# Altium PCB SPEC-A7.PcbDoc (part 7 of 10) (continued)
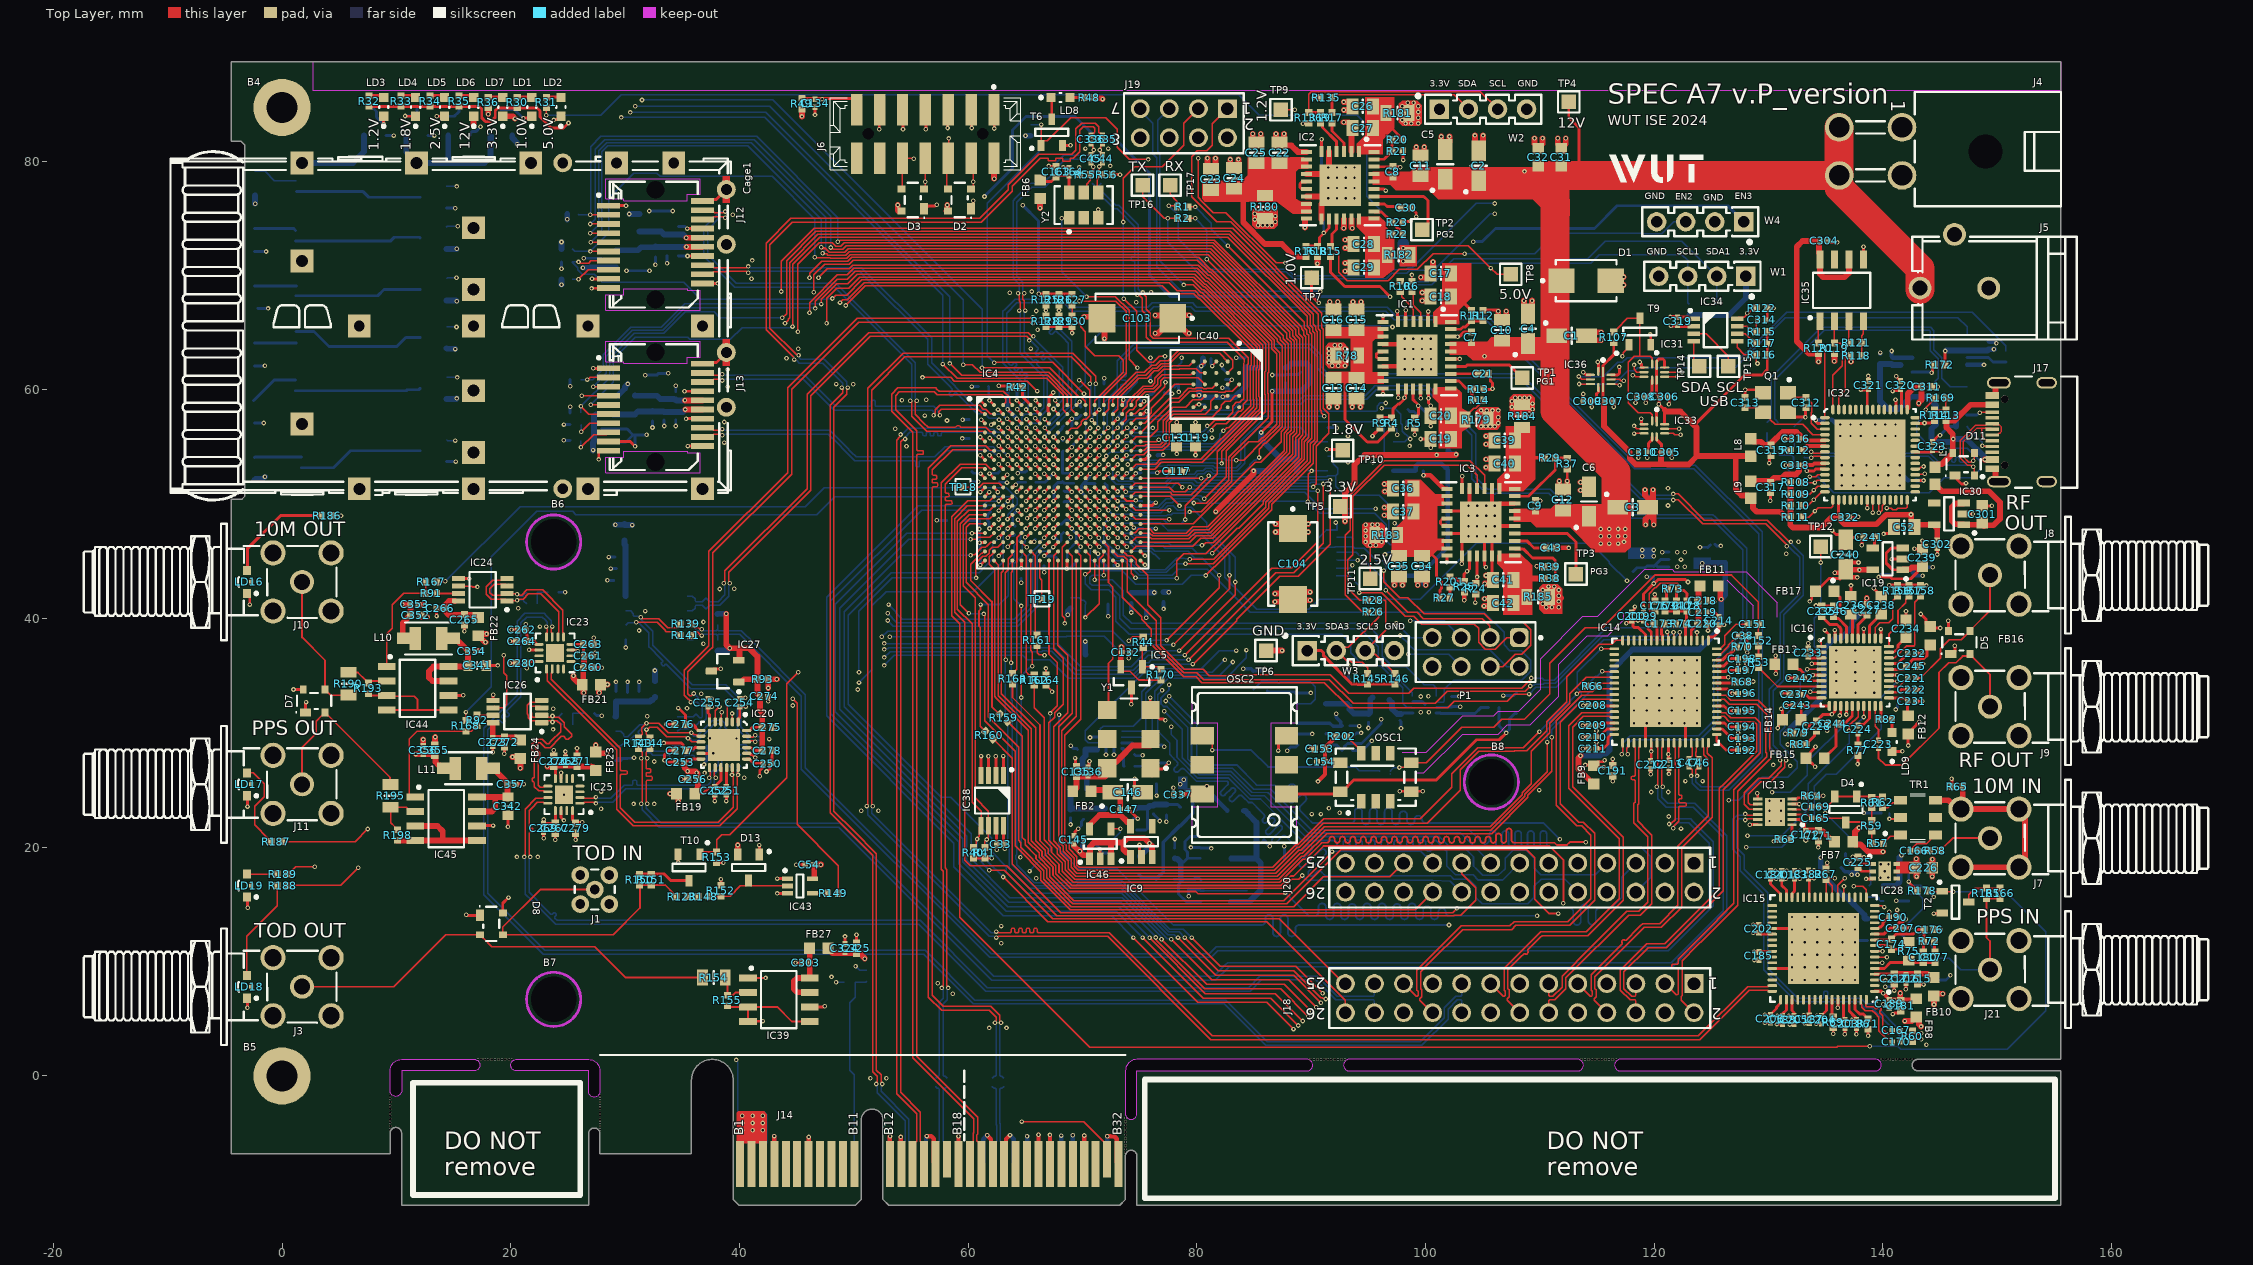
[diagram p0: Top Layer view]
## Nets (pads, with @x,y where several pads share a name; then routed paths per layer and width w, separated by ;. In a path a pad name is that pad's centre, name@x,y a point inside that pad or via, vN(x,y) a via of type N, cw(c..) or ccw(c..) an arc to the next point about the centre after c; other vN are vias at no path point) (continued)
  L4 w0.127: v1(128.135,66.696) 128.195,66.696 129.662,65.23 129.662,58.626 131.821,56.467 132.561,56.467 133.069,55.959 133.293,55.959 136.223,53.028 136.447,53.028 136.955,52.52 136.955,52.431 137.355,52.031 137.571,52.031 138.352,51.25 138.75,51.25 v1(140.338,49.662)
NetIC32_32: IC32.32 IC36.9 | length 41.2
  Top Layer w0.127: IC36.9@116.211,60.912 116.962,60.912 117.062,60.812 117.306,60.812 v1(117.333,60.785) ; IC32.32@142.821,52.576 142.854,52.609 143.604,52.609 v1(143.65,52.655)
  L4 w0.127: v1(117.333,60.785) 117.714,60.404 118.867,60.404 121.534,63.071 122.931,63.071 127.06,67.2 128.834,67.2 130.678,65.357 130.678,58.88 133.345,56.213 134.234,56.213 136.783,53.663 136.783,53.492 137.347,52.928 141.626,52.928 141.654,52.901 143.344,52.901 143.59,52.655 v1(143.65,52.655)
NetIC32_33: IC32.33 IC36.8 | length 41.7
  Top Layer w0.127: IC36.8@116.211,60.512 116.78,60.512 116.888,60.404 v1(116.962,60.404) ; IC32.33@142.821,53.076 143.143,53.076 143.315,53.248 143.498,53.248 v1(143.55,53.3)
  L4 w0.127: v1(116.962,60.404) 116.943,60.423 116.943,61.042 117.106,61.205 117.558,61.205 117.87,60.893 118.511,60.893 120.654,63.036 120.654,63.08 121.28,63.706 122.804,63.706 126.698,67.6 129.069,67.6 131.313,65.357 131.313,58.962 133.555,56.721 134.615,56.721 136.303,55.032 142.018,55.032 142.758,54.293 142.758,54.092 v1(143.55,53.3)
NetIC32_55: IC32.55 IC35.3 R121.2 | length 8.2
  Top Layer w0.127: IC32.55@136.121,58.276 136.121,59.37 136.702,59.951 136.702,63.625 137.188,64.111 R121.2@137.188,64.131 137.023,64.296 IC35.3@137.023,66.003
NetIC32_56: IC32.56 IC35.2 R119.1 | length 8.1
  Top Layer w0.127: IC32.56@135.621,58.276 135.621,61.271 136.448,62.098 136.448,63.73 136.464,63.746 136.464,63.871 136.242,64.093 R119.1@135.753,64.093 IC35.2@135.753,65.49
NetIC34_3: IC34.3 TP15.1 | length 4.7
  Top Layer w0.127: IC34.3@123.444,64.905 124.526,64.905 126.487,62.944 TP15.1@126.487,62.055
NetIC34_4: IC34.4 TP14.1 | length 2.4
  Top Layer w0.127: IC34.4@123.444,64.255 123.444,62.558 TP14.1@123.947,62.055
NetIC35_4: IC35.4 R118.1 R121.1 | length 3.1
  Top Layer w0.127: R118.1@138.128,62.988 R121.1@138.128,64.131 138.128,64.728 138.293,64.893 IC35.4@138.293,66.003
NetIC39_2: IC39.2 R154.2 R155.1 | length 3.8
  Top Layer w0.152: R154.2@38.97,8.821 R154.2@38.75,8.6 38.95,8.4 R155.1@38.95,7.07 39.42,7.07 39.657,7.308 IC39.2@40.738,7.308
NetIC39_3: IC39.3 IC39.4 IC39.5 R155.2 | length 10.2
  Top Layer w0.152: R155.2@38.95,6.13 39.042,6.038 IC39.3@40.738,6.038 ; IC39.4@40.75,4.9 40.75,6.026 IC39.3@40.738,6.038 ; IC39.5@46.138,4.768 44.582,4.768 43.312,6.038 IC39.3@40.738,6.038
  Top Layer w0.254: IC39.4@40.754,4.784 42.034,4.784 v1(42.05,4.8)
NetIC42_4: IC42.4 R84.1 | length 1.6
  Bottom Layer w0.152: R84.1@138.679,15.651 139.562,15.651 139.651,15.561 139.651,15.424 139.775,15.3 IC42.4@140.05,15.3
NetIC43_4: IC43.4 R149.1 | length 1.3
  Top Layer w0.127: IC43.4@46.383,15.965 46.398,15.98 R149.1@47.709,15.98
NetIC44_1: IC44.1 R91.2 R167.2 | length 9.9
  Top Layer w0.127: IC44.1@9.15,35.805 9.15,38.658 9.65,39.158 9.65,41.2 10.65,42.2 R91.2@12.58,42.2 R167.2@12.58,43.2
NetIC44_2: IC44.2 R190.2 R193.1 | length 3.8
  Top Layer w0.155: R190.2@5.8,35.3 5.822,35.278 6.642,35.278 7.317,34.602 7.317,34.582 7.53,34.37 R193.1@7.55,34.37 7.715,34.535 IC44.2@9.15,34.535
NetIC44_3: IC44.3 IC44.4 IC44.5 R193.2 | length 10.8
  Top Layer w0.152: R193.2@7.55,33.43 7.715,33.265 IC44.3@9.15,33.265 9.215,33.2 11.55,33.2 11.85,32.9 11.85,31.995 ; IC44.4@9.15,31.995 11.85,31.995 ; IC44.5@14.55,31.995 11.85,31.995
NetIC45_1: IC45.1 R92.2 R168.2 | length 11.9
  Top Layer w0.152: IC45.1@11.65,24.405 11.342,24.405 11.118,24.629 11.118,29.468 11.799,30.149 R168.2@16.07,30.149 16.569,30.149 16.816,30.396 16.816,30.416 17.03,30.63 R92.2@17.05,30.63
NetIC45_2: IC45.2 R195.2 R198.1 | length 4.6
  Top Layer w0.152: R198.1@10.104,21.54 10.084,21.54 9.87,21.754 9.87,21.774 9.5,22.144 R195.2@9.5,23.5 10.862,23.5 10.951,23.411 10.951,23.359 11.175,23.135 IC45.2@11.65,23.135
NetIC45_3: IC45.3 IC45.4 IC45.5 R198.2 | length 10.5
  Top Layer w0.508: R198.2@10.048,20.564 R198.2@10.16,20.564 ; R198.2@10.104,20.6 14.05,20.6 ; IC45.3@11.65,21.865 13.585,21.865 14.05,21.4 14.05,20.6 ; IC45.5@17.05,20.595 17.045,20.6 14.05,20.6
NetJ7_1: J7.1 R58.1 | length 5.3
  Top Layer w0.155: R58.1@145.02,19.7 145.02,19.72 145.234,19.934 146.1,20.8 J7.1@149.887,20.8
NetJ7_2: J7.2 R65.2 TR1.4 | length 20.1
  Top Layer w0.508: TR1.4@144.575,24.12 145.731,24.12 146.187,23.664 J7.2@146.312,23.664 ; J7.2@146.81,23.336 146.97,23.496 R65.2@146.97,25.3 ; J7.2@146.95,18 147.21,18.26 152.427,18.26 152.427,23.34 147.347,23.34 J7.2@147.078,23.608
NetJ17_A5: J17.A5 R105.1 | length 3.1
  Top Layer w0.127: v1(148.698,55.121) 148.733,55.086 149.524,55.086 J17.A5@149.56,55.05
  Bottom Layer w0.127: R105.1@147.32,56.8 147.546,56.573 147.546,56.55 148.687,55.409 148.687,55.132 v1(148.698,55.121)
NetJ17_B5: J17.B5 R106.1 | length 2.3
  Top Layer w0.127: v1(148.45,58) 148.475,58.025 149.535,58.025 J17.B5@149.56,58.05
  Bottom Layer w0.254: R106.1@147.32,57.8 148.21,57.8 148.41,58 v1(148.45,58)
NetLD1_1: LD1.1 T1.3 | length 3.1
  Top Layer w0.254: v1(21.107,83.763) 21.618,83.763 21.648,83.734 LD1.1@21.839,83.925
  Bottom Layer w0.254: T1.3@19.15,84.5 20.331,84.5 21.067,83.763 v1(21.107,83.763)
NetLD1_2: LD1.2 R30.1 | length 1.3
  Top Layer w0.254: R30.1@20.569,85.601 21.813,85.601 LD1.2@21.839,85.575
NetLD2_2: LD2.2 R31.1 | length 1.3
  Top Layer w0.254: R31.1@23.109,85.601 24.353,85.601 LD2.2@24.379,85.575
NetLD3_1: LD3.1 T3.3 | length 2.4
  Top Layer w0.254: v1(8.885,83.226) LD3.1@8.885,83.925
  Bottom Layer w0.254: T3.3@8.05,84.563 8.262,84.351 8.262,83.849 v1(8.885,83.226)
NetLD3_2: LD3.2 R32.1 | length 1.3
  Top Layer w0.254: R32.1@7.615,85.728 8.732,85.728 LD3.2@8.885,85.575
NetLD4_1: LD4.1 T4.3 | length 2.4
  Top Layer w0.254: v1@10.752,83.925 LD4.1@11.679,83.925 ; v1@10.752,83.941 v1(10.752,83.95)
  Bottom Layer w0.254: v1(10.752,83.95) 11.415,83.95 11.806,84.341 T4.3@11.806,84.541
NetLD4_2: LD4.2 R33.1 | length 1.3
  Top Layer w0.254: R33.1@10.409,85.728 11.526,85.728 LD4.2@11.679,85.575
NetLD5_1: LD5.1 T5.3 | length 3
  Top Layer w0.254: v1(13.52,83.925) LD5.1@14.219,83.925
  Bottom Layer w0.254: v1(13.52,83.925) 15.059,83.925 15.302,84.168 15.316,84.168 15.489,84.341 T5.3@15.489,84.541
NetLD5_2: LD5.2 R34.1 | length 1.3
  Top Layer w0.254: R34.1@12.949,85.728 14.066,85.728 LD5.2@14.219,85.575
NetLD6_2: LD6.2 R35.1 | length 1.3
  Top Layer w0.254: R35.1@15.489,85.728 16.606,85.728 LD6.2@16.759,85.575
NetLD7_2: LD7.2 R36.1 | length 1.3
  Top Layer w0.254: R36.1@18.029,85.601 19.273,85.601 LD7.2@19.299,85.575
NetLD8_1: LD8.1 T6.3 | length 1.8
  Top Layer w0.254: T6.3@67.305,83.668 LD8.1@67.305,85.503
NetLD8_2: LD8.2 R48.1 | length 1.2
  Top Layer w0.254: LD8.2@68.892,85.566 R48.1@70.137,85.566
NetLD9_2: LD9.2 R82.1 | length 1.1
  Top Layer w0.254: LD9.2@140.692,30.013 140.779,30.099 R82.1@140.779,31.125
NetLD10_1: LD10.1 R97.2 | length 4
  Bottom Layer w0.127: LD10.1@-2.4,79.1 -1.494,79.1 -0.664,78.27 R97.2@1.25,78.27
NetLD11_1: LD11.1 R99.2 | length 4.1
  Bottom Layer w0.254: LD11.1@-2.4,54.1 -2.368,54.132 R99.2@1.692,54.132
NetLD12_1: LD12.1 R131.2 | length 3.6
  Bottom Layer w0.254: LD12.1@-2.4,74.1 1.028,74.1 R131.2@1.184,73.944
NetLD13_1: LD13.1 R132.2 | length 3.6
  Bottom Layer w0.254: LD13.1@-2.4,69.1 R132.2@1.245,69.1
NetLD14_1: LD14.1 R133.2 | length 3.6
  Bottom Layer w0.254: LD14.1@-2.4,64.1 R133.2@1.236,64.1
NetLD15_1: LD15.1 R134.2 | length 4.4
  Bottom Layer w0.254: LD15.1@-2.483,59.067 -0.687,60.863 R134.2@1.184,60.863
NetLD16_2: LD16.2 R186.1 | length 9.6
  Top Layer w0.254: LD16.2@-3.042,44.208 -3.042,46.109 -0.15,49 R186.1@3.48,49
NetLD17_2: LD17.2 R187.1 | length 7.9
  Top Layer w0.127: LD17.2@-3.05,26.5 -2.507,26.5 -1.576,25.569 -1.576,24.424 -2.4,23.6 -2.4,21.97 -1.196,20.767 -1.196,20.726 R187.1@-0.97,20.5
NetLD18_2: LD18.2 R188.1 | length 9
  Top Layer w0.127: LD18.2@-3.05,8.8 -3.1,8.85 -3.1,12.2 -0.42,14.88 R188.1@-0.42,16.65
NetLD19_2: LD19.2 R189.1 | length 2.6
  Top Layer w0.127: LD19.2@-3.05,17.65 R189.1@-0.42,17.65
NetOSC1_8: OSC1.8 R202.2 | length 2
  Top Layer w0.127: R202.2@93.12,29.7 93.12,29.68 94.003,28.797 94.058,28.797 94.375,28.48 OSC1.8@94.375,28.22
NetOSC2_4: OSC2.4 R206.1 | length 17.1
  Top Layer w0.152: OSC2.4@80.465,29.74 80.666,29.74 81.35,29.056 v3(81.35,28.5)
  Bottom Layer w0.152: v3(81.35,28.5) 84.75,28.5 86.225,27.025 93.875,27.025 94.209,26.691 95.941,26.691 R206.1@95.981,26.651
NetR3_1: R3.1 R203.2 | length 1.2
  Bottom Layer w0.254: R3.1@98.45,58.27 98.613,58.107 98.993,58.107 99.38,57.72 R203.2@99.38,57.7
NetR27_1: R27.1 R201.2 | length 0.9
  Top Layer w0.254: R27.1@102.12,41.8 102.135,41.815 102.135,42.715 R201.2@102.15,42.73
NetR57_1: R57.1 TR1.1 | length 1.8
  Top Layer w0.152: R57.1@140.021,20.34 140.235,20.554 140.235,20.585 140.625,20.974 141.419,20.974 TR1.1@141.525,21.08
NetR59_1: R59.1 R61.2 | length 1.4
  Top Layer w0.152: R59.1@139.014,22.196 R59.1@139.014,22.352 R61.2@139.014,23.444 R61.2@139.014,23.564
NetR62_1: R62.1 TR1.3 | length 1.8
  Top Layer w0.127: R62.1@139.961,23.454 140.4,23.454 140.839,23.893 141.298,23.893 TR1.3@141.525,24.12
NetR80_2: R80.2 R83.1 | length 1.3
  Bottom Layer w0.152: R83.1@142.97,12 143.184,12.214 143.184,12.242 143.467,12.525 R80.2@144.067,12.525
NetR97_1: R97.1 T7.3 | length 11
  Bottom Layer w0.254: R97.1@1.25,77.33 7.091,77.33 7.579,76.842 T7.3@12.076,76.842
NetR99_1: R99.1 T8.3 | length 11
  Bottom Layer w0.254: R99.1@1.692,53.192 4.508,53.192 5.994,54.678 T8.3@12.083,54.678
NetR113_2: R113.2 R114.2 R169.1 | length 2.1
  Top Layer w0.127: R114.2@144.491,58.237 R113.2@145.507,58.237 145.507,59.287 R169.1@145.52,59.3
NetR123_2: R123.2 R148.1 | length 1
  Top Layer w0.152: R123.2@35.419,15.688 R148.1@36.384,15.688
NetR131_1: R131.1 T11.3 | length 11.1
  Bottom Layer w0.254: R131.1@1.184,73.004 9.461,73.004 9.804,73.347 12.01,73.347 T11.3@12.076,73.281
NetR132_1: R132.1 T12.3 | length 11.1
  Bottom Layer w0.254: R132.1@1.2,68.23 8.37,68.23 8.915,68.775 T12.3@12.083,68.775
NetR133_1: R133.1 T13.3 | length 11.7
  Bottom Layer w0.254: R133.1@1.228,65.1 2.8,65.1 4.1,63.8 10.036,63.8 10.82,64.584 T13.3@12.083,64.584
NetR134_1: R134.1 T14.3 | length 11
  Bottom Layer w0.254: R134.1@1.184,59.923 10.858,59.923 10.947,60.012 11.956,60.012 T14.3@12.083,60.139
NetR150_1: R150.1 R151.1 T10.3 | length 4.8
  Top Layer w0.254: R150.1@31.02,17.674 31.27,17.674 32.286,17.674 33.426,17.674 34.022,17.078 T10.3@35.584,17.078
NetR165_1: R165.1 R166.1 T2.3 | length 3.6
  Top Layer w0.152: T2.3@147.5,15.2 147.5,15.85 148.05,16.4 150.21,16.4 R166.1@150.25,16.44
NetR191_1: R191.1 R192.1 R194.2 | length 2
  Bottom Layer w0.127: R192.1@22.32,41.3 R191.1@22.32,42.3 R194.2@23.28,42.3
NetR196_1: R196.1 R197.1 R199.2 | length 2
  Bottom Layer w0.127: R197.1@25.42,30.7 R196.1@25.42,31.7 R199.2@26.38,31.7
OE_125M: IC4.F14 Y2.1 | length 26.6
  Top Layer w0.127: v1(68.194,75.009) 68.786,75.009 Y2.1@68.829,75.052 ; v1(70.353,68.151) 72.876,68.151 74.067,66.96 74.067,62.659 v1(74.798,61.928)
  Top Layer w0.254: IC4.F14@71.864,54.676 71.87,54.676 72.264,55.07 v1(72.271,55.07)
  Bottom Layer w0.127: v1(68.194,75.009) 68.194,70.31 v1(70.353,68.151) ; v1(72.271,55.07) 72.646,55.445 72.646,58.1 73.187,58.641 73.187,59.313 73.5,59.625 73.765,59.625 74.798,60.658 v1(74.798,61.928)
ONE_WIRE: IC4.U14 IC37.1 R124.1 | length 9.3
  Top Layer w0.127: v1(70.25,40.1) 71.459,41.309 71.459,45.188 71.821,45.55 71.821,45.833 IC4.U14@71.864,45.876
  Bottom Layer w0.127: R124.1@68.956,41.824 69.711,41.824 69.926,41.609 70.105,41.609 70.267,41.447 IC37.1@70.267,41.268 70.25,41.251 v1(70.25,40.1)
OUT_2_N: IC14.42 IC21.4 R87.1 R141.1 | length 126.8
  Top Layer w0.127: R141.1@35.762,38.52 35.989,38.747 35.989,38.789 36.063,38.863 36.289,38.863 36.641,38.511 v1(36.699,38.511) ; v1@121.486,22.087 121.819,22.421 121.819,28.714 121.734,28.799 IC14.42@121.734,29.133
  Bottom Layer w0.127: IC21.4@35.452,38.139 35.927,38.139 36.164,38.376 36.164,38.535 36.238,38.609 36.527,38.609 36.625,38.511 v1(36.699,38.511) 36.714,38.511 36.813,38.609 37.974,38.609 38.048,38.535 ; R87.1@38.086,38.101 38.086,38.535 38.161,38.609 40.029,38.609 45.42,33.219 45.42,26.83 61.88,10.37 81.22,10.37 81.413,10.563 81.82,10.97 121.22,10.97 125.15,14.9 125.15,20.5 124.956,20.693 123.363,22.286 123.17,22.48 121.878,22.48 121.486,22.087 121.346,22.087 v1(121.294,22.035)
OUT_2_P: IC14.43 IC21.3 R86.1 R139.1 | length 126.9
  Top Layer w0.127: R139.1@35.762,39.536 35.989,39.31 35.989,39.268 36.063,39.193 36.426,39.193 36.502,39.117 36.647,39.117 v1(36.699,39.065) ; v1@121.719,21.854 122.149,22.284 122.149,23.117 122.149,23.508 122.223,23.582 122.722,23.582 122.787,23.647 122.787,23.844 122.722,23.909 122.214,23.909 122.149,23.974 122.149,24.171 122.214,24.236 122.346,24.236 122.412,24.301 122.412,24.498 122.346,24.563 122.223,24.563 122.149,24.637 122.149,24.87 122.149,28.714 122.234,28.799 IC14.43@122.234,29.133
  Bottom Layer w0.127: IC21.3@35.452,39.409 35.927,39.409 36.164,39.173 36.164,39.014 36.238,38.939 36.5,38.939 36.625,39.065 v1(36.699,39.065) ; v1@36.813,38.939 37.974,38.939 38.048,39.014 ; R86.1@38.086,39.447 38.086,39.014 38.161,38.939 40.166,38.939 41.241,37.864 41.358,37.748 45.75,33.356 45.75,26.967 62.017,10.7 81.083,10.7 81.683,11.3 121.083,11.3 124.82,15.037 124.82,20.363 123.033,22.15 122.015,22.15 121.719,21.854 121.719,21.715 v1(121.667,21.663)
OUT_3_N: IC14.39 IC22.4 R90.1 R144.1 | length 133.4
  Top Layer w0.127: v1@31.83,23.9 31.83,25.403 31.83,25.794 31.905,25.868 32.306,25.868 32.372,25.933 32.372,26.13 32.306,26.195 31.896,26.195 31.83,26.26 31.83,26.457 31.896,26.522 32.171,26.522 32.236,26.587 32.236,26.784 32.171,26.849 31.905,26.849 31.83,26.923 31.83,27.62 31.929,27.718 31.929,27.752 v1(31.929,27.792) ; v1@31.83,27.964 31.83,28.321 31.905,28.396 31.939,28.396 R144.1@32.165,28.622 ; IC14.39@120.234,29.133 120.234,28.799 120.319,28.714 120.319,27.334 v1@120.319,25.456
  Bottom Layer w0.127: v1@31.83,27.964 31.83,28.183 31.905,28.257 32.22,28.257 32.409,28.068 33.831,28.068 33.906,27.994 33.906,27.835 34.142,27.598 IC22.4@34.563,27.598 34.985,27.598 35.221,27.835 35.221,27.994 35.295,28.068 35.962,28.068 36.037,27.994 36.037,27.781 R90.1@36.219,27.598 ; v1(31.929,23.8) 31.929,23.726 31.83,23.628 31.83,23.41 33.14,22.1 48.817,22.1 62.217,8.7 81.483,8.7 82.489,9.707 82.683,9.9 121.483,9.9 126.02,14.437 126.02,20.863 123.385,23.497 121.05,23.497 120.319,24.229 120.319,25.111 120.22,25.209 v1(120.22,25.283)
OUT_3_P: IC14.40 IC22.3 R89.1 R143.1 | length 133.4
  Top Layer w0.127: R143.1@31.165,28.622 31.392,28.396 31.426,28.396 31.5,28.321 v1@31.5,27.964 ; v1(31.402,27.792) 31.402,27.718 31.5,27.62 v1@31.5,23.9 ; v1@120.649,25.456 120.649,27.471 120.649,28.714 120.734,28.799 IC14.40@120.734,29.133
  Bottom Layer w0.127: v1(31.402,23.8) 31.402,23.726 31.5,23.628 31.5,23.273 33.003,21.77 48.68,21.77 62.08,8.37 81.62,8.37 82.82,9.57 121.62,9.57 126.35,14.3 126.35,21 123.522,23.828 121.187,23.828 120.649,24.365 120.649,25.111 120.747,25.209 v1(120.747,25.283) ; v1@31.5,27.964 31.5,28.319 31.768,28.587 32.357,28.587 32.546,28.398 33.831,28.398 33.906,28.473 33.906,28.632 34.142,28.868 IC22.3@34.563,28.868 34.985,28.868 35.221,28.632 35.221,28.473 35.295,28.398 35.962,28.398 36.037,28.473 36.037,28.685 R89.1@36.219,28.868
P1V0: C103.1 C104.1 C107.2 C108.2 C109.2 C110.2 C111.2 C112.2 C120.2 C121.2 C122.2 C123.2 C124.2 C125.2 C126.2 C127.2 C128.2 C129.2 C130.2 C131.2 IC4.F7 IC4.F9 IC4.F11 IC4.G8 IC4.G10 IC4.H7 IC4.H9 IC4.H11 IC4.J8 IC4.J12 IC4.K7 IC4.K11 IC4.L8 IC4.L12 IC4.M7 IC4.M11 IC4.N8 IC4.N10 IC4.N12 IC4.P9 IC4.P11 R78.2 T1.1 TP7.1 | length 99.4
  Top Layer w0.254: v1(65.864,49.476) IC4.M7@66.264,49.876 ; v1(65.864,51.076) IC4.K7@66.264,51.476 ; v1(65.864,53.476) IC4.H7@66.264,53.076 ; v1(65.864,55.076) IC4.F7@66.264,54.676 ; v1(66.664,48.676) IC4.N8@67.064,49.076 ; v1(66.664,50.276) IC4.L8@67.064,50.676 ; v1(66.664,52.676) IC4.J8@67.064,52.276 ; v1(66.664,54.276) IC4.G8@67.064,53.876 ; v1(67.464,47.876) IC4.P9@67.864,48.276 ; v1(67.464,53.476) IC4.H9@67.864,53.076 ; v1(67.464,55.076) IC4.F9@67.864,54.676 ; IC4.N10@68.664,49.076 v1(69.064,48.676) ; IC4.G10@68.664,53.876 v1(69.064,54.276) ; IC4.P11@69.464,48.276 v1(69.864,47.876) ; IC4.M11@69.464,49.876 v1(69.864,49.476) ; IC4.K11@69.464,51.476 v1(69.864,51.076) ; IC4.H11@69.464,53.076 v1(69.864,53.476) ; IC4.F11@69.464,54.676 v1(69.864,55.076) ; IC4.N12@70.264,49.076 v1(70.664,48.676) ; IC4.L12@70.264,50.676 v1(70.664,50.276) ; IC4.J12@70.264,52.276 v1(70.664,52.676) ; v1(78.227,54.4) C131.2@78.227,55.032 ; TP7.1@90.546,69.802 90.038,70.31 90.038,68.212 v1(90.65,67.6)
  Top Layer w0.508: v1(76.361,66.517) 77.633,66.517 C103.1@78.039,66.111 ; v1(76.364,64.94) 76.613,64.94 77.887,66.213 C103.1@77.887,66.263 ; v1(79.315,64.94) 79.16,64.94 78.039,66.061 C103.1@78.039,66.111 ; v1(79.342,66.53) 78.458,66.53 C103.1@78.039,66.111 ; v1(86.873,47.571) 87.416,47.571 87.624,47.779 C104.1@87.624,47.952 ; v1(86.873,48.278) 87.416,48.278 87.624,48.07 C104.1@87.624,48.007 ; C104.1@88.991,47.843 89.262,47.572 v1(89.742,47.572) ; C104.1@88.991,47.898 88.991,48.008 89.262,48.279 v1(89.742,48.279)
  L4 w0.254: v1(20.569,81.486) 43.364,81.486 51.176,73.674 51.176,61.166 58.859,53.482 61.844,53.482 62.288,53.038 63.273,53.038 63.276,53.035 63.603,53.035 63.868,52.769 63.868,52.519 64.194,52.194 64.298,52.194 64.624,51.868 65.072,51.868 v1(65.864,51.076)
  Bottom Layer w0.254: v1(67.464,47.876) 67.503,47.876 67.872,48.244 68.139,48.244 C108.2@68.322,48.427 68.505,48.61 68.959,48.61 69.024,48.676 v1(69.064,48.676) ; v1(70.664,50.276) 70.664,50.303 69.891,51.076 v1(69.864,51.076) 69.864,51.115 69.915,51.166 69.915,51.647 C109.2@70.098,51.83 ; v1(70.664,52.676) 70.592,52.604 70.592,52.324 C109.2@70.098,51.83 ; C110.2@71.076,51.819 71.071,51.824 70.103,51.824 C109.2@70.098,51.83
  Bottom Layer w0.508: T1.1@20.122,82.241 20.122,82.041 20.569,81.594 v1(20.569,81.486)
  other v1: 91.85,62.1 92.35,62.1 92.95,62.1 91.55,62.4 92.95,62.6 91.55,62.8 92.95,63.1 91.55,63.2 91.55,63.6 92.95,63.6 92.05,63.9 92.55,63.9
P1V8: C113.2 C114.2 C115.2 C116.2 C117.2 C118.2 C119.2 IC4.E11 IC4.G12 IC4.H13 IC4.K13 IC4.M13 IC4.P13 L2.2 R15.2 R179.2 T4.1 TP10.1 | length 144.1
  Top Layer w0.254: IC4.E11@69.464,55.476 69.464,55.489 69.838,55.863 v1(69.838,55.876) ; IC4.G12@70.264,53.876 v1(70.664,54.276) ; IC4.P13@71.064,48.276 71.064,48.27 71.454,47.881 v1(71.454,47.876) ; IC4.M13@71.064,49.876 v1(71.464,49.476) ; IC4.K13@71.064,51.476 v1(71.464,51.076) ; IC4.H13@71.064,53.076 v1(71.464,53.476) ; v1(76.546,52.754) 76.585,52.754 76.717,52.886 C117.2@77.777,52.886 ; v1(79.878,54.305) C119.2@79.878,55.032 ; v1(91.35,54.8) 92.65,54.8 TP10.1@92.75,54.7 ; R15.2@91.689,71.634 91.689,70.289 92.939,69.04 96.007,69.04 v1(96.896,68.151)
  L3 w0.254: v1(68.264,55.779) 68.303,55.779 68.642,55.44 69.327,55.44 69.464,55.578
  L4 w0.254: v1(13.323,82.241) 14.168,82.241 14.429,82.502 44.348,82.502 51.184,75.666 60.657,75.666 61.429,76.438 v1(61.429,76.911) ; v1(96.896,68.151) 97.785,68.151 100.579,65.357 104.516,65.357 105.75,64.122 105.75,62.539 101.595,58.384 101.595,56.845 99.85,55.1 v1(98.602,55.1)
  Bottom Layer w0.254: T4.1@12.756,82.241 v1(13.323,82.241) ; v1@61.429,76.936 63.876,79.383 63.876,82.726 65.05,83.9 69.35,83.9 71.383,81.867 72.933,81.867 75.85,78.95 75.85,70.02 77.719,68.151 v1(96.896,68.151) ; v1(68.264,55.779) 68.264,55.582 L2.2@68.284,55.561 ; C118.2@76.013,52.754 v1(76.546,52.754)
  other v1: 104.85,56.8 105.25,56.8 105.65,56.8 106.05,56.8 106.35,57.1 104.55,57.3 106.35,57.6 104.55,57.8 104.85,58.2 105.35,58.2 105.85,58.2 106.35,58.2
P1V8_USB: C297.2 C298.2 C311.2 IC32.2 IC32.31 IC32.43 | length 24.5
  Top Layer w0.254: v1(134.116,57.356) 134.144,57.328 134.144,57.197 134.265,57.076 IC32.2@134.921,57.076 ; IC32.31@142.821,52.076 IC32.31@142.821,52.076 143.549,52.075 v1(143.55,52.074)
  Top Layer w0.508: IC32.43@142.157,58.447 142.157,59.66 142.732,60.235 143.362,60.235 143.362,59.118 143.124,58.88 v1(143.124,58.819)
  L4 w0.508: v1(134.116,57.356) 134.515,57.754 143.124,57.754 ; v1(143.124,58.819) 143.124,57.754 ; v1(143.55,52.074) 144.125,52.074 144.467,52.416 144.467,54.171 143.051,55.587 143.051,57.342 143.124,57.415 143.124,57.754
  Bottom Layer w0.381: v1(134.116,57.356) 134.121,57.356 134.131,57.365 134.765,57.365 C298.2@134.8,57.4 ; C297.2@142.9,52.1 142.922,52.078 143.546,52.078 v1(143.55,52.074)
P2V5: C71.2 C72.2 C73.2 C74.2 C75.2 C76.2 C77.2 C78.2 C79.2 C80.2 C81.2 C82.2 C83.2 IC4.A16 IC4.B13 IC4.C10 IC4.D17 IC4.E14 IC4.G18 IC4.H15 R125.2 R126.2 R127.2 R183.2 T5.1 TP11.1 | length 90.4
  Top Layer w0.127: TP11.1@95.15,43.5 v1(95.15,46.4)
  Top Layer w0.254: v1(66.162,68.405) 66.201,68.405 66.239,68.367 R125.2@66.797,68.367 R126.2@67.94,68.367 R127.2@69.083,68.367 ; IC4.C10@68.664,57.076 v1(69.064,57.476) ; IC4.B13@71.064,57.876 v1(71.464,58.276) ; IC4.E14@71.864,55.476 71.864,55.493 72.229,55.858 v1(72.229,55.876) ; IC4.H15@72.664,53.076 v1(73.064,53.476) ; IC4.A16@73.464,58.676 73.482,58.694 73.482,59.001 73.578,59.096 v1(73.578,59.136) ; IC4.D17@74.264,56.276 74.264,56.286 74.67,56.692 v1(74.67,56.702) ; IC4.G18@75.064,53.876 75.082,53.894 75.44,53.894 75.775,54.228 v1(75.814,54.228)
  L3 w0.254: v1(66.162,68.405) 67.344,67.222 67.344,63.591 69.388,61.547 70.353,61.547 70.945,60.955 ; 72.704,54.562 72.554,54.412 72.554,53.956 72.853,53.657 72.853,53.646 73.024,53.476 v1(73.064,53.476)
  L4 w0.254: v1(17.35,83) 17.804,83.454 19.952,83.454 20.522,82.884 45.205,82.884 51.376,76.714 59.723,76.714 60.374,77.365 63.552,77.365 v1(64.765,76.152)
  Bottom Layer w0.254: T5.1@16.439,82.241 16.439,82.407 16.612,82.58 16.93,82.58 v1(17.35,83) ; v1(64.765,76.152) 66.162,74.755 v1(66.162,68.405) ; C78.2@69.052,56.848 69.064,56.86 v1(69.064,57.476) 69.092,57.504 69.58,57.504 69.737,57.661 69.762,57.661 69.86,57.759 C76.2@69.86,57.784 ; v1(71.464,58.276) 71.464,59.349 71.89,59.775 C74.2@71.89,59.8 ; v1(73.578,59.136) 73.578,59.096 73.715,58.959 73.715,58.887 73.806,58.796 73.806,58.51 C75.2@73.788,58.492 ; 73.806,58.978 73.864,59.036 73.864,59.076 73.892,59.104 74.291,59.104 C79.2@74.321,59.134 ; v1(74.67,56.702) 74.685,56.687 75.003,56.687 C73.2@75.018,56.673 ; v1(75.666,59.438) 75.706,59.438 75.854,59.586 76.07,59.586 C81.2@76.253,59.769 ; v1(75.814,54.228) 75.835,54.228 C72.2@75.887,54.28 ; C82.2@75.944,61.338 75.945,61.337 v1(75.946,60.772) v1(75.946,60.772) ; C83.2@78.046,60.236 C83.2@78.303,60.493 78.405,60.392 v1(78.405,59.82) ; v1(82.189,62.177) 82.217,62.149 82.217,61.894 82.494,61.617 C80.2@82.494,61.592
  other v1: 95.65,46.4 94.75,46.7 96.15,46.7 96.15,47.1 94.75,47.2 94.75,47.7 96.15,47.7 94.75,48.2 95.35,48.2 95.795,48.2
P2V7: C326.2 C327.2 C328.2 C330.2 IC40.B4 IC40.D1 IC40.E4 IC41.5 | length 12.2
  Top Layer w0.152: IC40.E4@79.697,59.48 IC40.E4@79.718,59.501 ; v1@80.166,59.501 80.175,59.501 v1(80.19,59.517) ; v1(80.386,62.081) v1@80.386,62.125 ; IC40.D1@80.697,62.436 IC40.D1@80.697,62.48 ; v1(82.25,59.4) v1@82.294,59.445 ; IC40.B4@82.661,59.445 IC40.B4@82.697,59.48
  Top Layer w0.254: IC40.E4@79.718,59.501 79.721,59.499 79.783,59.499 79.786,59.501 80.175,59.501 v1(80.19,59.517) ; v1@80.386,62.125 IC40.D1@80.697,62.436 ; v1@82.294,59.445 IC40.B4@82.661,59.445
  Bottom Layer w0.508: v1(80.19,59.517) 80.19,59.52 80.187,59.522 80.187,61.882 v1(80.386,62.081) 80.544,62.239 C327.2@80.544,62.741 ; 80.353,59.357 83.306,59.357 84.25,60.3 C330.2@84.25,61.95 84.261,61.938 85.532,61.938 IC41.5@85.543,61.927
P3V0_DAC: C157.1 C158.2 FB4.1 IC11.5 | length 5.6
  Bottom Layer w0.508: IC11.5@91.3,32.55 93.1,32.55 C157.1@93.35,32.3 ; C157.1@93.35,32.1 93.35,32.071 93.721,31.7 C158.2@95.05,31.7 ; C158.2@95,31.633 95.162,31.795 95.162,32.912 FB4.1@95.35,33.1
P3V0_DAC_DDMTD: C142.2 C143.2 FB3.1 IC8.5 | length 4.9
  Bottom Layer w0.508: FB3.1@68.912,25.058 68.953,25.017 C143.2@68.953,23.28 69.075,23.402 69.969,23.402 IC8.5@71.968,23.402
P3V0_REF: C138.2 C149.2 C345.2 IC7.7 IC10.7 IC48.6 | length 39.7
  L3 w0.254: v1(77.15,28.8) 79.524,31.174 96.104,31.174 v1(96.125,31.195) 101.955,31.195 v1(103.037,32.277)
  Bottom Layer w0.254: IC7.7@73.432,29.126 74.367,29.126 C138.2@74.55,28.943 ; C138.2@74.55,28.95 76.96,28.95 77.11,28.8 v1(77.15,28.8) ; IC48.6@91.328,28.959 92.215,28.959 C345.2@92.7,28.474 92.883,28.657 92.883,28.788 93.18,29.086 94.386,29.086 96.125,30.825 v1(96.125,31.195) ; IC10.7@101.004,32.246 102.25,32.246 102.304,32.3 103.014,32.3 v1(103.037,32.277)
P3V0_VCXO: C161.1 C162.2 FB5.1 IC12.5 IC47.5 | length 12.9
  Bottom Layer w0.508: IC47.5@82.962,15.238 84.588,15.238 85.587,16.237 85.587,18.629 85.199,19.017 IC12.5@83.001,19.017 ; FB5.1@84.126,23.2 84.225,23.2 84.471,22.954 84.471,22.908 85.224,22.155 C162.2@85.224,20.624 ; C161.1@85.05,19 85.215,19.165 C162.2@85.215,20.567
P3V0_VCXO_DDMTD: C146.1 C147.2 FB2.1 IC9.5 IC46.5 | length 9.3
  Top Layer w0.508: IC46.5@70.6,21.6 70.646,21.646 70.646,21.987 71.487,22.828 73.295,22.828 ; FB2.1@70.75,25 72.45,25 C146.1@72.65,24.8 72.925,24.8 73.296,24.429 73.296,24.139 73.304,24.131 C147.2@73.305,23.32 ; 73.291,22.831 73.902,22.221 74.154,22.221 74.2,22.175 IC9.5@74.2,21.85 ; 73.297,22.838 C147.2@73.297,23.312